# Altium PCB Simulation.PcbDoc (part 2 of 3) (continued)
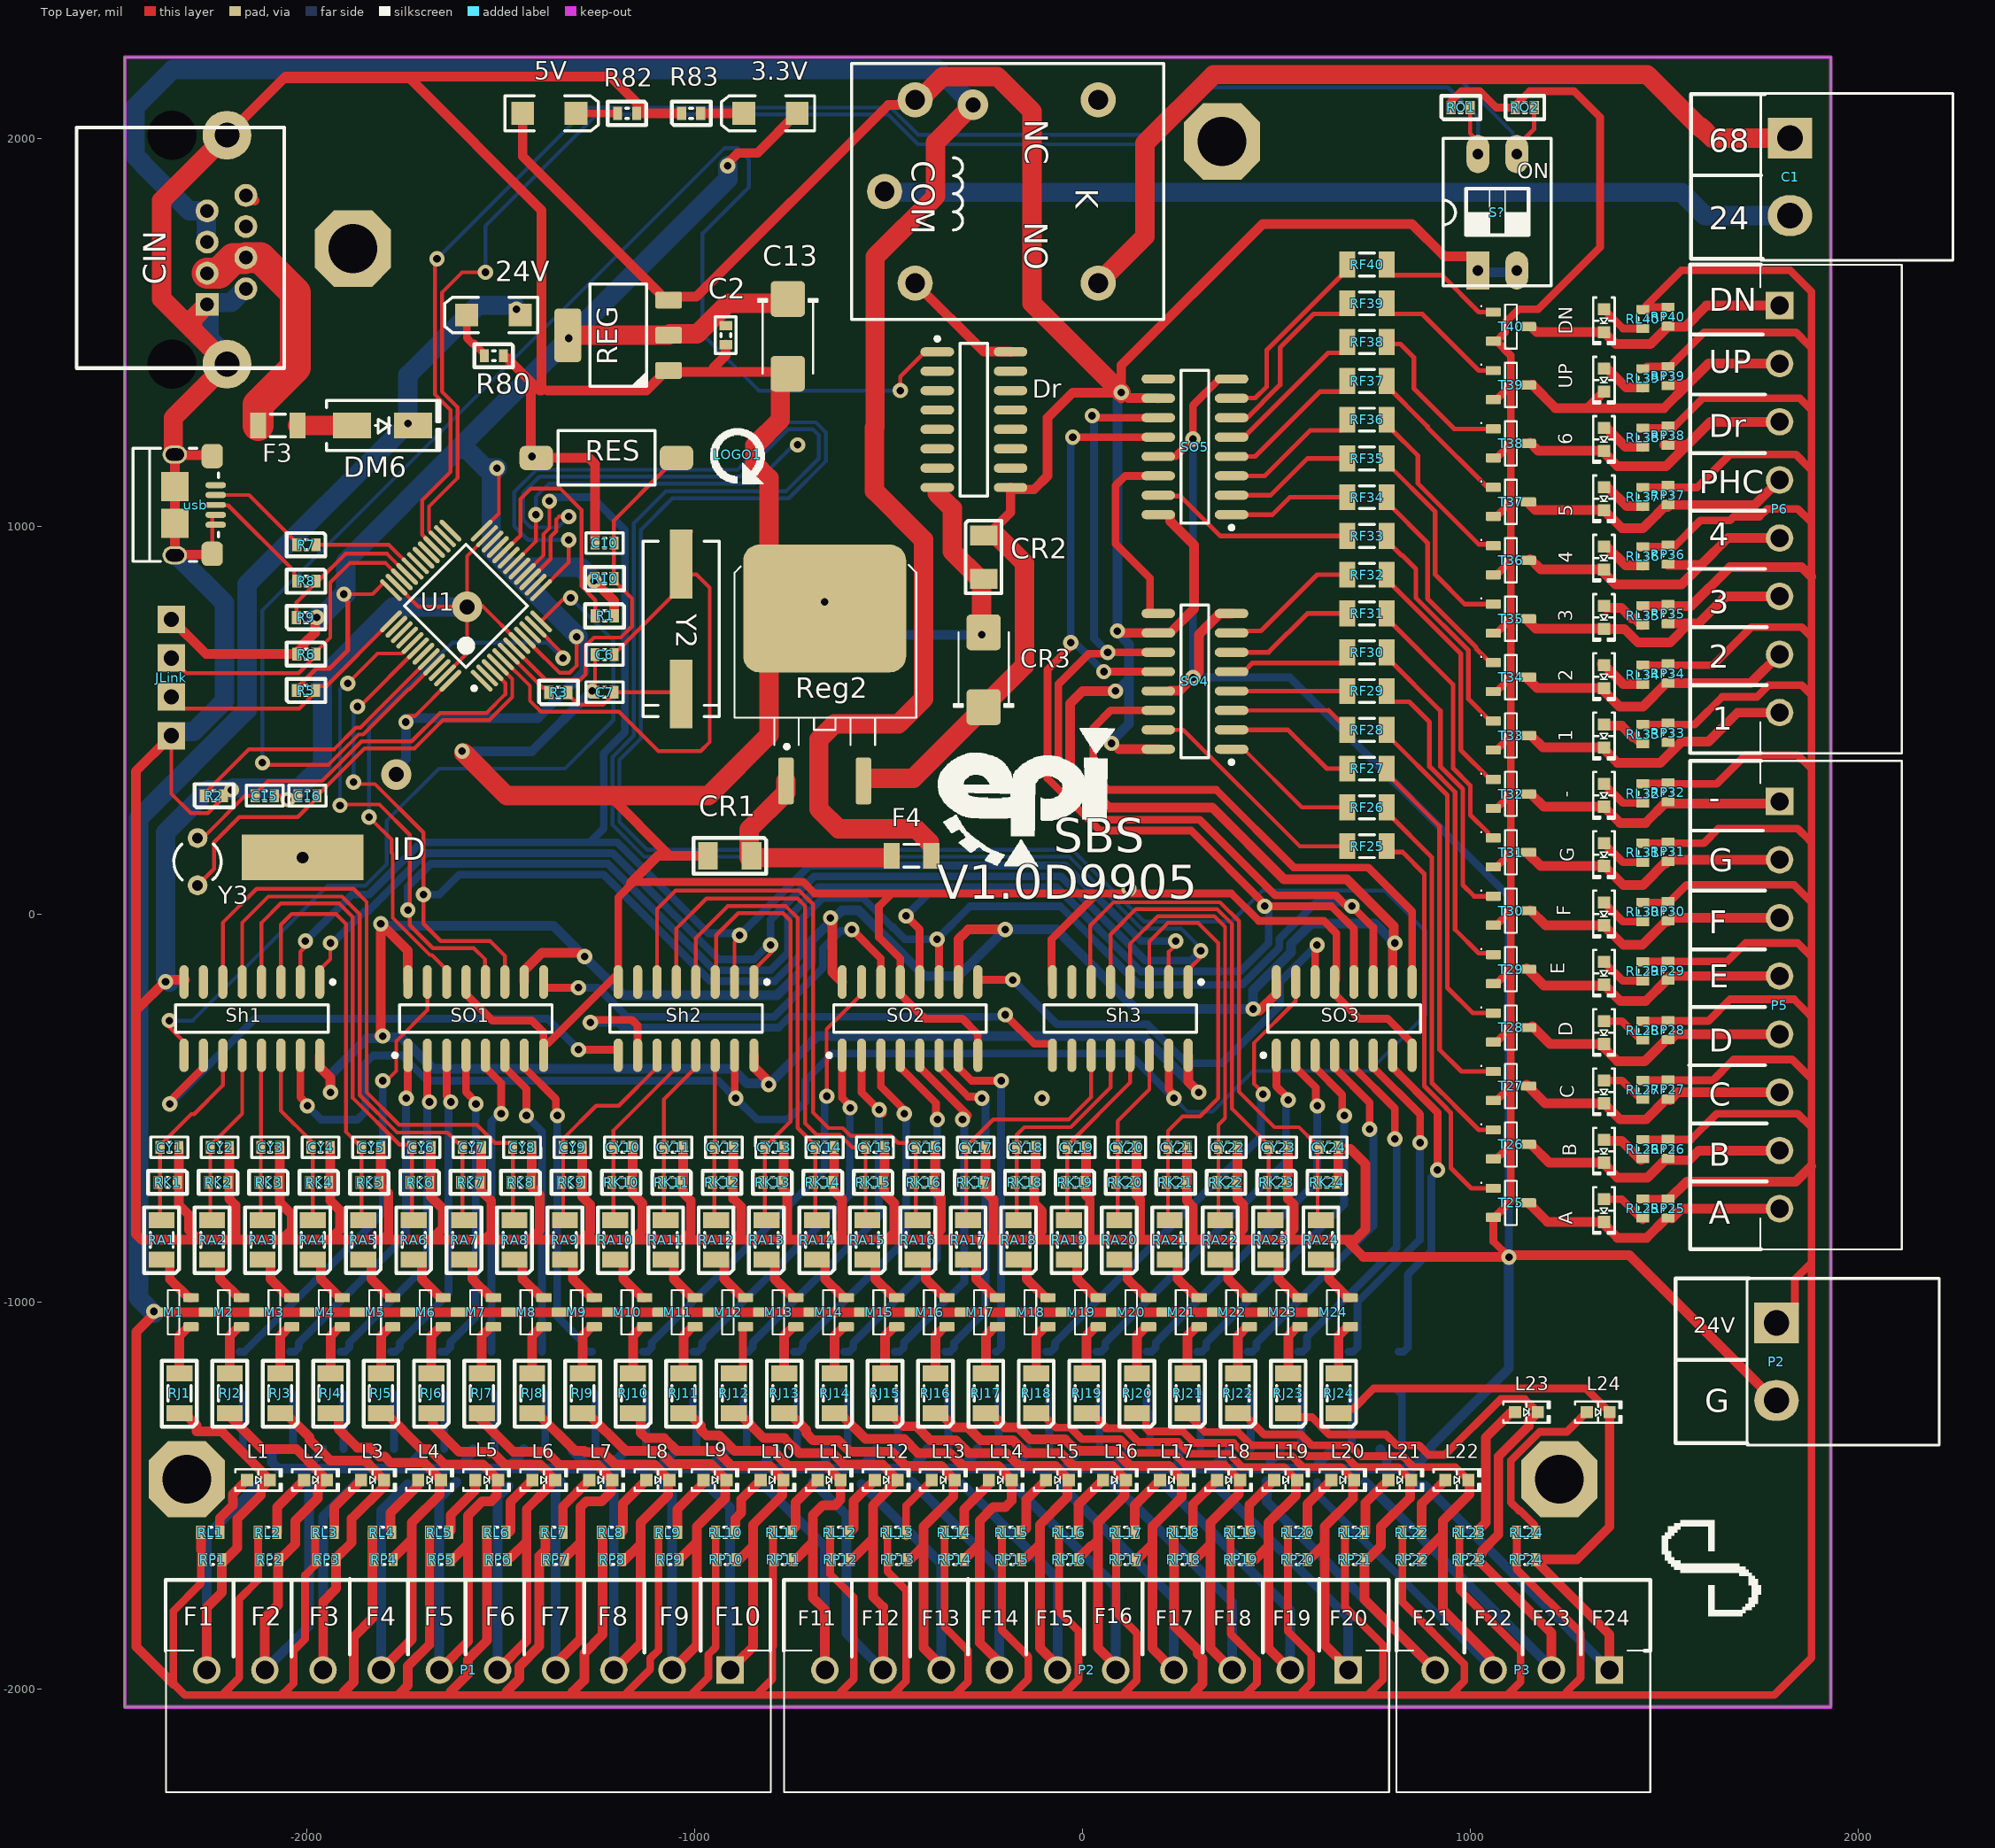
[diagram p0: Top Layer view]
## Nets (pads, with @x,y where several pads share a name; then routed paths per layer and width w, separated by ;. In a path a pad name is that pad's centre, name@x,y a point inside that pad or via, vN(x,y) a via of type N, cw(c..) or ccw(c..) an arc to the next point about the centre after c; other vN are vias at no path point) (continued)
  Top Layer w50: usb.S@-2345,1190 -2345,1279.72 CIN.9@-2206.57,1418.15 ; -2295,1515 -2295,1535.23 CIN.1@-2257.75,1572.48 ; CIN.9@-2215,1425 -2215,1426.58 -2375,1586.58 -2375,1840.27 CIN.9@-2210.27,2005 ; v1@-1595,415 -1485,305 -1220,305 -965,305 -808.75,461.25 -808.75,649.28 -669.99,788.04 Reg2.4@-665,788.04 ; C13.2@-760,1393.54 -779.29,1374.25 -779.29,1274.19 -845,1208.48 -845,1160 -808.75,1123.75 -808.75,926.8 -766.95,885 Reg2.4@-740,885 ; -375,1085 -336.14,1046.14 -336.14,935.2 -264.84,863.9 CR2.2@-255,863.9 ; CR2.2@-260,860 -260,731.46 CR3.2@-255,726.46
  Bottom Layer w20: v1(285,1225) v1(285,610) 535,610 1100,45 v1(1100,-885)
  Bottom Layer w25: T1.2@-2091.09,-1380.04 -2090.4,-1380.73 -2090.4,-1414.6 -2075,-1430 -1735,-1430 ; -1990,-1420 -1990,-1415.45 -1961.09,-1386.54 T2.2@-1961.09,-1380.04 ; -1850,-1425 -1850,-1405.45 -1831.09,-1386.54 T3.2@-1831.09,-1380.04 ; T4.2@-1701.09,-1380.04 -1701.09,-1386.54 -1735,-1420.45 -1735,-1430 ; v1@-1605,420 v1(-1600,420) -1420,420 v1(-1265,575) ; -1590,-1420 -1590,-1405.45 -1571.09,-1386.54 T5.2@-1571.09,-1380.04 ; -1470,-1425 -1470,-1415.45 -1441.09,-1386.54 T6.2@-1441.09,-1380.04 ; T7.2@-1315,-1385 -1279.9,-1420.1 -1214.65,-1420.1 -1181.09,-1386.54 T8.2@-1181.09,-1380.04 ; -1085,-1425 -1085,-1420.45 -1051.09,-1386.54 T9.2@-1051.09,-1380.04 ; -955,-1420 -954.55,-1420 -921.09,-1386.54 T10.2@-921.09,-1380.04 ; -815,-1420 -815,-1410.45 -791.09,-1386.54 T11.2@-791.09,-1380.04 ; -665,-1425 -661.78,-1421.78 -661.78,-1380.73 T12.2@-661.09,-1380.04 ; v1(-665,805) -580,720 v1(-260,720) v1@-250,720 ; -555,-1420 -555,-1410.45 -531.09,-1386.54 T13.2@-531.09,-1380.04 ; -425,-1425 -425,-1410.45 -401.09,-1386.54 T14.2@-401.09,-1380.04 ; T15.2@-271.09,-1380.04 -271.09,-1386.54 -295,-1410.45 -295,-1430 ; -160,-1425 -160,-1405.45 -141.09,-1386.54 T16.2@-141.09,-1380.04 ; -30,-1420 -30,-1405.45 -11.09,-1386.54 T17.2@-11.09,-1380.04 ; T18.2@118.91,-1380.04 118.91,-1386.54 95,-1410.45 95,-1430 ; 245,-1420 248.22,-1416.78 248.22,-1380.73 T19.2@248.91,-1380.04 ; 345,-1425 345,-1420.45 378.91,-1386.54 T20.2@378.91,-1380.04 ; 485,-1425 485,-1410.45 508.91,-1386.54 T21.2@508.91,-1380.04 ; 610,-1420 610,-1415.45 638.91,-1386.54 T22.2@638.91,-1380.04 ; T23.2@768.91,-1380.04 768.91,-1386.54 785,-1402.63 785,-1420 ; v1@1100,-890 1100,-1172.45 898.91,-1373.54 T24.2@898.91,-1380.04 898.91,-1382.22 851.13,-1430 95,-1430 ; -1735,-1430 -295,-1430 ; -295,-1430 95,-1430
  Bottom Layer w50: v1@-2355,-175 -2365,-165 -2365,210 -2255,320 v1(-2195,320) ; JLink.1@-2350,460 -2339.57,470.43 -2292.44,470.43 -2212.87,550 -2212.87,802.09 usb.S@-2334.57,923.78 ; CIN.9@-2220,1420 -2220,1452.14 -2253.22,1485.36 -2253.22,1567.95 CIN.1@-2257.75,1572.48 -2253.22,1577.01 -2195.83,1577.01 -2161.93,1610.91 -2155.91,1610.91 CIN.2@-2155,1610 ; v1@-2190,325 -2020,325 -1960,385 -1960,610 -1778.03,791.97 v2(-1587.24,791.97)
  other v1: -2365,-175 120,65 -2050,295 -1420,1180
"Latch Pin 2": SO1.12 SO2.12 SO3.12 SO4.12 SO5.12 U1.41 | length 6791
  Top Layer w10: v1@-1930,280 -1925,280 -1922.44,282.56 -1813.33,282.56 -1735,204.23 -1735,-28.68 -1675.8,-87.87 -1570,-87.87 -1540.67,-117.2 -1540.67,-174.7 SO1.12@-1539.86,-175.51 ; v1@-1890,595 -1890,600 -1818.18,671.82 -1755.42,671.82 -1728.29,698.96 U1.41@-1727.8,698.96
  Top Layer w20: v1(-455,-5) -419.93,-40.07 SO2.12@-419.93,-175.51 ; v1@-30,690 -90,630 -90,350 45,215 280,215 470,25 v1(470,20) 641.88,20 700,-38.12 SO3.12@700,-175.51 ; v1@-20,1225 -20,1226.05 -16.05,1230 SO5.12@195.51,1230 ; v1@45,625 v1(55,625) SO4.12@195.51,625
  Bottom Layer w10: v1(-1915,280) -1915,580 v1@-1905,590
  Bottom Layer w20: v1(-1740,10) -1740,70.58 -1681.33,129.25 -1223.67,129.25 -949.42,-145 -805,-145 -760,-100 -760,-9.77 -680.98,69.25 -66.76,69.25 150.36,-147.87 407.13,-147.87 480,-75 480,10 v1(470,20) ; v1(-455,-5) -390,60 ; v1@-30,1225 -28.95,1225 -30,1223.95 -30,710 v1(55,625)
  other v1: -1895,595 -30,700 -25,1230
LoadPin: Sh1.1 Sh2.1 Sh3.1 U1.15 | length 7299
  Top Layer w10: Sh1.1@-1967.35,-175.51 -1967.35,-144.02 -1940,-116.67 v1@-1940,-70 ; U1.15@-1424.36,863.21 -1372.13,915.44 -1372.13,972.6 -1357.13,987.6 -1357.13,1017.87 -1350,1025 v1@-1330,1025 ; Sh2.1@-847.42,-175.51 -847.42,-144.02 v1@-800,-96.6 ; Sh3.1@272.51,-175.51 272.51,-144.02 v1@311.53,-105
  Bottom Layer w10: v1(-1325,1025) -1352.56,997.44 -1423.49,997.44 -1442.56,1016.51 -1442.56,1086.12 -1400.8,1127.87 -882.13,1127.87 -760,1250 -695,1250 -680,1235 -680,1175 -765,1090 -1075,1090 -1157.13,1007.87 -1157.13,460 -1212.36,404.76 -1212.36,229.71 -1130.53,147.87 -34.2,147.87 151.12,-37.44 254.15,-37.44 305,-88.29 v1(305,-95)
  Bottom Layer w20: v1(-1939.33,-75) -1934.09,-75 -1851.67,7.42 -1842.58,7.42 -1692.87,157.13 -1212.13,157.13 -937.87,-117.13 -847.13,-117.13 -804.33,-74.33 -804.33,-14.69 -692.52,97.13 -55.22,97.13 161.91,-120 280,-120 v1(305,-95)
  other v1: -804.33,-80
Net1_1: 1.1 RL33.1 | length 121.8
  Top Layer w25: 1.1@1345,490 1.1@1345,488.53 1348.25,485.28 1390.83,485.28 1419.83,456.28 1424.65,456.28 1441.46,439.47 RL33.1@1445,439.47
Net2_1: 2.1 RL34.1 | length 126.8
  Top Layer w25: 2.1@1340,645 1342.78,645 1394.69,593.09 1444.31,593.09 RL34.1@1445,592.4
Net3.3V_2: 3.3V.2 R83.2 | length 111.1
  Top Layer w25: R83.2@-985,2065 3.3V.2@-873.9,2065
Net3_1: 3.1 RL35.1 | length 113.5
  Top Layer w25: 3.1@1350,790 1389.47,790 1417.33,762.14 1424.65,762.14 1441.46,745.34 RL35.1@1445,745.34
Net4_1: 4.1 RL36.1 | length 116.4
  Top Layer w25: 4.1@1350,950 1401.04,898.96 1444.31,898.96 RL36.1@1445,898.27
Net5_1: 5.1 RL37.1 | length 110.2
  Top Layer w25: 5.1@1355,1100 1403.11,1051.89 1444.31,1051.89 RL37.1@1445,1051.2
Net5V_2: 5V.2 R82.2 | length 107.1
  Top Layer w20: 5V.2@-1306.1,2065 R82.2@-1198.99,2065
Net6_1: 6.1 RL38.1 | length 116.1
  Top Layer w25: 6.1@1350,1255 1400.18,1204.82 1444.31,1204.82 RL38.1@1445,1204.13
Net24V_2: 24V.2 R80.2 | length 126.8
  Top Layer w20: 24V.2@-1588.09,1545 -1588.09,1485.47 -1573.94,1471.33 -1569.29,1471.33 -1542.64,1444.69 R80.2@-1542.64,1439.76
Net-_1: -.1 RL32.1 | length 124.8
  Top Layer w20: -.1@1345,340 -.1@1345,335.53 1393.99,286.54 RL32.1@1445,286.54
NetA_1: A.1 RL25.1 | length 122.6
  Top Layer w20: A.1@1345,-735.47 1345.28,-735.75 1390.75,-735.75 RL25.1@1445,-790
NetB_1: B.1 RL26.1 | length 116.8
  Top Layer w25: B.1@1345,-582.47 1348.25,-585.72 1390.72,-585.72 RL26.1@1440,-635
NetC1_1: C1.1 K.2 | length 2230.4
  Top Layer w50: K.2@35,1620 35,1621.45 K.2@40.81,1627.26 160.8,1747.25 160.8,1987.47 338.33,2165 1456.27,2165 1595,2026.27 1598.73,2026.27 ; 1595,2030 1598.73,2026.27 ; C1.1@1825,2001.27 1623.73,2001.27 1598.73,2026.27
NetC1_2: C1.2 K.1 | length 2359.8
  Bottom Layer w50: K.1@-510.37,1863.48 -508.14,1861.25 1545.14,1861.25 1605.12,1801.27 1811.27,1801.27 C1.2@1820,1810
NetC7_1: C7.1 R3.2 Y2.1 | length 326.5
  Top Layer w10: R3.2@-1327.45,571.48 -1327.45,566.55 -1300.9,540 -1235.69,540 -1208.31,567.38 C7.1@-1208.31,572.3 -1039.42,572.3 Y2.1@-1035,567.88
NetC15_1: C15.1 U1.3 Y3.1 | length 1038.1
  Top Layer w10: Y3.1@-2282.4,196.02 -2269.74,196.02 -2263.72,190 -2263.72,195.69 -2263.38,196.02 -2263.38,201.62 -2160.23,304.77 C15.1@-2133.68,304.77 -2133.68,309.69 -2100.33,343.04 -1961.35,343.04 -1859.39,445 -1730.37,445 -1657.5,517.87 -1537.45,517.87 -1488.77,566.55 -1488.77,595.85 -1521.79,628.87 U1.3@-1521.79,629.36
NetC16_2: C16.2 U1.4 Y3.2 | length 1157.9
  Top Layer w10: Y3.2@-2282.4,73.98 -2240,116.38 -2240,185 -2175,250 -2024.19,250 -1974.35,299.85 C16.2@-1974.35,304.77 -1974.35,309.69 -1967.54,316.5 -1962.62,316.5 -1851.99,427.13 -1722.87,427.13 -1650,500 -1530.05,500 -1470.9,559.15 -1470.9,606.15 -1507.88,643.12 U1.4@-1507.88,643.28
NetC_1: C.1 RL27.1 | length 122.4
  Top Layer w20: C.1@1345,-435 1350.53,-429.47 1391.42,-429.47 1440.08,-478.13 RL27.1@1445,-478.13
NetD_1: D.1 RL28.1 | length 118.3
  Top Layer w20: D.1@1350,-280 1350,-277.22 1350.75,-276.47 1391.36,-276.47 1440.08,-325.19 RL28.1@1445,-325.19
NetDM6_1: DM6.1 F3.2 | length 140.7
  Top Layer w50: F3.2@-2024.44,1260 DM6.1@-1883.74,1260
NetDN_1: DN.1 RL40.1 | length 121
  Top Layer w20: DN.1@1345,1560 DN.1@1345,1559.53 1394.53,1510 RL40.1@1445,1510
NetDr_16: Dr.16 K.5 | length 319.5
  Top Layer w25: K.5@-431.63,1627.26 -255.06,1450.69 -186.2,1450.69 Dr.16@-185.51,1450
NetE_1: E.1 RL29.1 | length 119.6
  Top Layer w20: E.1@1345,-125 1346.53,-125 1393.79,-172.26 RL29.1@1445,-172.26
NetF_1: F.1 RL30.1 | length 118.4
  Top Layer w20: F.1@1345,25 1349.53,25 1393.86,-19.33 RL30.1@1445,-19.33
NetG_1: G.1 RL31.1 | length 120.8
  Top Layer w20: G.1@1345,182.53 1393.92,133.6 1443.6,133.6 RL31.1@1445,135
NetL1_1: L1.1 RL1.1 | length 154
  Top Layer w25: RL1.1@-2225,-1585 -2225,-1558.51 -2191.2,-1524.71 -2191.2,-1496.2 L1.1@-2155,-1460
NetL2_1: L2.1 RL2.1 | length 162.9
  Top Layer w25: RL2.1@-2077.44,-1595 -2077.44,-1529.63 -2010,-1462.19 L2.1@-2010,-1460
NetL3_1: L3.1 RL3.1 | length 158.7
  Top Layer w25: RL3.1@-1930,-1590 -1930,-1529.39 L3.1@-1860.61,-1460
NetL4_1: L4.1 RL4.1 | length 164.7
  Top Layer w25: RL4.1@-1785,-1595 -1785,-1545 -1713.42,-1473.42 L4.1@-1713.42,-1460
NetL5_1: L5.1 RL5.1 | length 156.4
  Top Layer w25: RL5.1@-1630,-1590 -1630,-1550 -1566.22,-1486.22 L5.1@-1566.22,-1460
NetL6_1: L6.1 RL6.1 | length 160.3
  Top Layer w25: RL6.1@-1480,-1595 -1475,-1590 -1475,-1515.97 L6.1@-1419.03,-1460
NetL7_1: L7.1 RL7.1 | length 153.2
  Top Layer w25: RL7.1@-1340,-1585 -1340,-1528.17 L7.1@-1271.83,-1460
NetL8_1: L8.1 RL8.1 | length 162.1
  Top Layer w25: RL8.1@-1190,-1595 -1185,-1590 -1185,-1520.36 L8.1@-1124.64,-1460
NetL9_1: L9.1 RL9.1 | length 158
  Top Layer w25: RL9.1@-1045,-1590 -1045,-1535 -977.44,-1467.44 L9.1@-977.44,-1460
NetL10_1: L10.1 RL10.1 | length 161.8
  Top Layer w25: RL10.1@-895,-1595 -895,-1560 -880,-1545 -880,-1509.75 L10.1@-830.25,-1460
NetL11_1: L11.1 RL11.1 | length 157.7
  Top Layer w25: RL11.1@-750,-1590 -740,-1580 -740,-1516.94 L11.1@-683.06,-1460
NetL12_1: L12.1 RL12.1 | length 161.6
  Top Layer w25: RL12.1@-600,-1595 -590,-1585 -590,-1514.14 L12.1@-535.86,-1460
NetL13_1: L13.1 RL13.1 | length 172.5
  Top Layer w20: RL13.1@-455,-1605 -455,-1526.33 L13.1@-388.67,-1460
NetL14_1: L14.1 RL14.1 | length 156.3
  Top Layer w25: RL14.1@-305,-1590 -305,-1535 -241.47,-1471.47 L14.1@-241.47,-1460
NetL15_1: L15.1 RL15.1 | length 167.2
  Top Layer w25: RL15.1@-160,-1600 -145,-1585 -145,-1510.72 L15.1@-94.28,-1460
NetL16_1: L16.1 RL16.1 | length 166.1
  Top Layer w25: RL16.1@-10,-1600 -10,-1522.92 L16.1@52.92,-1460
NetL17_1: L17.1 RL17.1 | length 167
  Top Layer w25: RL17.1@135,-1600 135,-1525.11 L17.1@200.11,-1460
NetL18_1: L18.1 RL18.1 | length 165.8
  Top Layer w25: RL18.1@285,-1600 285,-1522.3 L18.1@347.3,-1460
NetL19_1: L19.1 RL19.1 | length 151.7
  Top Layer w25: RL19.1@430,-1585 430,-1524.5 L19.1@494.5,-1460
NetL20_1: L20.1 RL20.1 | length 150.6
  Top Layer w25: RL20.1@580,-1585 580,-1521.69 L20.1@641.69,-1460
NetL21_1: L21.1 RL21.1 | length 159.4
  Top Layer w25: RL21.1@730,-1595 730,-1518.89 L21.1@788.89,-1460
NetL22_1: L22.1 RL22.1 | length 165.3
  Top Layer w25: RL22.1@875,-1600 875,-1521.08 L22.1@936.08,-1460
NetL23_1: L23.1 RL23.1 | length 350.7
  Top Layer w25: RL23.1@1020,-1590 1040,-1570 1040,-1350 1105,-1285 L23.1@1115.47,-1285
NetL24_1: L24.1 RL24.1 | length 458.6
  Top Layer w20: RL24.1@1165,-1595 1165,-1575 1128.75,-1538.75 1126.25,-1538.75 1105,-1517.5 1105,-1409.89 1179.54,-1335.35 1250.13,-1335.35 L24.1@1300.47,-1285
NetM1_1: M1.1 RJ1.2 | length 137
  Top Layer w25: RJ1.2@-2329.29,-1185.16 -2329.29,-1088.05 -2305.69,-1064.45 M1.1@-2299.19,-1064.45
NetM1_2: M1.2 RA1.1 | length 140.8
  Top Layer w25: RA1.1@-2375,-891.57 -2362.2,-891.57 -2354.04,-899.74 -2354.04,-941.29 -2305.69,-989.64 M1.2@-2299.19,-989.64
NetM2_1: M2.1 RJ2.2 | length 137
  Top Layer w25: RJ2.2@-2199.29,-1185.16 -2199.29,-1088.05 -2175.69,-1064.45 M2.1@-2169.19,-1064.45
NetM2_2: M2.2 RA2.1 | length 140.8
  Top Layer w25: RA2.1@-2245,-891.57 -2232.2,-891.57 -2224.04,-899.74 -2224.04,-941.29 -2175.69,-989.64 M2.2@-2169.19,-989.64
NetM3_1: M3.1 RJ3.2 | length 137
  Top Layer w25: RJ3.2@-2069.29,-1185.16 -2069.29,-1088.05 -2045.69,-1064.45 M3.1@-2039.19,-1064.45
NetM3_2: M3.2 RA3.1 | length 140.8
  Top Layer w25: RA3.1@-2115,-891.57 -2102.2,-891.57 -2094.04,-899.74 -2094.04,-941.29 -2045.69,-989.64 M3.2@-2039.19,-989.64
NetM4_1: M4.1 RJ4.2 | length 137
  Top Layer w25: RJ4.2@-1939.29,-1185.16 -1939.29,-1088.05 -1915.69,-1064.45 M4.1@-1909.19,-1064.45
NetM4_2: M4.2 RA4.1 | length 140.8
  Top Layer w25: RA4.1@-1985,-891.57 -1972.2,-891.57 -1964.04,-899.74 -1964.04,-941.29 -1915.69,-989.64 M4.2@-1909.19,-989.64
NetM5_1: M5.1 RJ5.2 | length 137
  Top Layer w25: RJ5.2@-1809.29,-1185.16 -1809.29,-1088.05 -1785.69,-1064.45 M5.1@-1779.19,-1064.45
NetM5_2: M5.2 RA5.1 | length 140.8
  Top Layer w25: RA5.1@-1855,-891.57 -1842.2,-891.57 -1834.04,-899.74 -1834.04,-941.29 -1785.69,-989.64 M5.2@-1779.19,-989.64
NetM6_1: M6.1 RJ6.2 | length 137
  Top Layer w25: RJ6.2@-1679.29,-1185.16 -1679.29,-1088.05 -1655.69,-1064.45 M6.1@-1649.19,-1064.45
NetM6_2: M6.2 RA6.1 | length 140.8
  Top Layer w25: RA6.1@-1725,-891.57 -1712.2,-891.57 -1704.04,-899.74 -1704.04,-941.29 -1655.69,-989.64 M6.2@-1649.19,-989.64
NetM7_1: M7.1 RJ7.2 | length 137
  Top Layer w25: RJ7.2@-1549.29,-1185.16 -1549.29,-1088.05 -1525.69,-1064.45 M7.1@-1519.19,-1064.45
NetM7_2: M7.2 RA7.1 | length 140.8
  Top Layer w25: RA7.1@-1595,-891.57 -1582.2,-891.57 -1574.04,-899.74 -1574.04,-941.29 -1525.69,-989.64 M7.2@-1519.19,-989.64
NetM8_1: M8.1 RJ8.2 | length 137
  Top Layer w25: RJ8.2@-1419.29,-1185.16 -1419.29,-1088.05 -1395.69,-1064.45 M8.1@-1389.19,-1064.45
NetM8_2: M8.2 RA8.1 | length 140.8
  Top Layer w25: RA8.1@-1465,-891.57 -1452.2,-891.57 -1444.04,-899.74 -1444.04,-941.29 -1395.69,-989.64 M8.2@-1389.19,-989.64
NetM9_1: M9.1 RJ9.2 | length 137
  Top Layer w25: RJ9.2@-1289.29,-1185.16 -1289.29,-1088.05 -1265.69,-1064.45 M9.1@-1259.19,-1064.45
NetM9_2: M9.2 RA9.1 | length 140.8
  Top Layer w25: RA9.1@-1335,-891.57 -1322.2,-891.57 -1314.04,-899.74 -1314.04,-941.29 -1265.69,-989.64 M9.2@-1259.19,-989.64
NetM10_1: M10.1 RJ10.2 | length 137
  Top Layer w25: RJ10.2@-1159.29,-1185.16 -1159.29,-1088.05 -1135.69,-1064.45 M10.1@-1129.19,-1064.45
NetM10_2: M10.2 RA10.1 | length 140.8
  Top Layer w25: RA10.1@-1205,-891.57 -1192.2,-891.57 -1184.04,-899.74 -1184.04,-941.29 -1135.69,-989.64 M10.2@-1129.19,-989.64
NetM11_1: M11.1 RJ11.2 | length 137
  Top Layer w25: RJ11.2@-1029.29,-1185.16 -1029.29,-1088.05 -1005.69,-1064.45 M11.1@-999.19,-1064.45
NetM11_2: M11.2 RA11.1 | length 140.8
  Top Layer w25: RA11.1@-1075,-891.57 -1062.2,-891.57 -1054.04,-899.74 -1054.04,-941.29 -1005.69,-989.64 M11.2@-999.19,-989.64
NetM12_1: M12.1 RJ12.2 | length 143.5
  Top Layer w20: RJ12.2@-899.29,-1185.16 -886.5,-1185.16 -875.83,-1174.49 -875.83,-1066.26 -874.02,-1064.45 M12.1@-869.19,-1064.45
NetM12_2: M12.2 RA12.1 | length 140.8
  Top Layer w25: RA12.1@-945,-891.57 -932.2,-891.57 -924.04,-899.74 -924.04,-941.29 -875.69,-989.64 M12.2@-869.19,-989.64
NetM13_1: M13.1 RJ13.2 | length 137
  Top Layer w25: RJ13.2@-769.29,-1185.16 -769.29,-1088.05 -745.69,-1064.45 M13.1@-739.19,-1064.45
NetM13_2: M13.2 RA13.1 | length 140.8
  Top Layer w25: RA13.1@-815,-891.57 -802.2,-891.57 -794.04,-899.74 -794.04,-941.29 -745.69,-989.64 M13.2@-739.19,-989.64
NetM14_1: M14.1 RJ14.2 | length 137
  Top Layer w25: RJ14.2@-639.29,-1185.16 -639.29,-1088.05 -615.69,-1064.45 M14.1@-609.19,-1064.45
NetM14_2: M14.2 RA14.1 | length 140.8
  Top Layer w25: RA14.1@-685,-891.57 -672.2,-891.57 -664.04,-899.74 -664.04,-941.29 -615.69,-989.64 M14.2@-609.19,-989.64
NetM15_1: M15.1 RJ15.2 | length 137
  Top Layer w25: RJ15.2@-509.29,-1185.16 -509.29,-1088.05 -485.69,-1064.45 M15.1@-479.19,-1064.45
NetM15_2: M15.2 RA15.1 | length 140.8
  Top Layer w25: RA15.1@-555,-891.57 -542.2,-891.57 -534.04,-899.74 -534.04,-941.29 -485.69,-989.64 M15.2@-479.19,-989.64
NetM16_1: M16.1 RJ16.2 | length 137
  Top Layer w25: RJ16.2@-379.29,-1185.16 -379.29,-1088.05 -355.69,-1064.45 M16.1@-349.19,-1064.45
NetM16_2: M16.2 RA16.1 | length 140.8
  Top Layer w25: RA16.1@-425,-891.57 -412.2,-891.57 -404.04,-899.74 -404.04,-941.29 -355.69,-989.64 M16.2@-349.19,-989.64
NetM17_1: M17.1 RJ17.2 | length 137
  Top Layer w25: RJ17.2@-249.29,-1185.16 -249.29,-1088.05 -225.69,-1064.45 M17.1@-219.19,-1064.45
NetM17_2: M17.2 RA17.1 | length 140.8
  Top Layer w25: RA17.1@-295,-891.57 -282.2,-891.57 -274.04,-899.74 -274.04,-941.29 -225.69,-989.64 M17.2@-219.19,-989.64
NetM18_1: M18.1 RJ18.2 | length 137
  Top Layer w25: RJ18.2@-119.29,-1185.16 -119.29,-1088.05 -95.69,-1064.45 M18.1@-89.19,-1064.45
NetM18_2: M18.2 RA18.1 | length 140.8
  Top Layer w25: RA18.1@-165,-891.57 -152.2,-891.57 -144.04,-899.74 -144.04,-941.29 -95.69,-989.64 M18.2@-89.19,-989.64
NetM19_1: M19.1 RJ19.2 | length 137
  Top Layer w25: RJ19.2@10.71,-1185.16 10.71,-1088.05 34.31,-1064.45 M19.1@40.81,-1064.45
NetM19_2: M19.2 RA19.1 | length 140.8
  Top Layer w25: RA19.1@-35,-891.57 -22.2,-891.57 -14.04,-899.74 -14.04,-941.29 34.31,-989.64 M19.2@40.81,-989.64
NetM20_1: M20.1 RJ20.2 | length 137
  Top Layer w25: RJ20.2@140.71,-1185.16 140.71,-1088.05 164.31,-1064.45 M20.1@170.81,-1064.45
NetM20_2: M20.2 RA20.1 | length 140.8
  Top Layer w25: RA20.1@95,-891.57 107.8,-891.57 115.96,-899.74 115.96,-941.29 164.31,-989.64 M20.2@170.81,-989.64
NetM21_1: M21.1 RJ21.2 | length 137
  Top Layer w25: RJ21.2@270.71,-1185.16 270.71,-1088.05 294.31,-1064.45 M21.1@300.81,-1064.45
NetM21_2: M21.2 RA21.1 | length 140.8
  Top Layer w25: RA21.1@225,-891.57 237.8,-891.57 245.96,-899.74 245.96,-941.29 294.31,-989.64 M21.2@300.81,-989.64
NetM22_1: M22.1 RJ22.2 | length 137
  Top Layer w25: RJ22.2@400.71,-1185.16 400.71,-1088.05 424.31,-1064.45 M22.1@430.81,-1064.45
NetM22_2: M22.2 RA22.1 | length 140.8
  Top Layer w25: RA22.1@355,-891.57 367.8,-891.57 375.96,-899.74 375.96,-941.29 424.31,-989.64 M22.2@430.81,-989.64
NetM23_1: M23.1 RJ23.2 | length 137
  Top Layer w25: RJ23.2@530.71,-1185.16 530.71,-1088.05 554.31,-1064.45 M23.1@560.81,-1064.45
NetM23_2: M23.2 RA23.1 | length 140.8
  Top Layer w25: RA23.1@485,-891.57 497.8,-891.57 505.96,-899.74 505.96,-941.29 554.31,-989.64 M23.2@560.81,-989.64
NetM24_1: M24.1 RJ24.2 | length 137
  Top Layer w25: RJ24.2@660.71,-1185.16 660.71,-1088.05 684.31,-1064.45 M24.1@690.81,-1064.45
NetM24_2: M24.2 RA24.1 | length 140.8
  Top Layer w25: RA24.1@615,-891.57 627.8,-891.57 635.96,-899.74 635.96,-941.29 684.31,-989.64 M24.2@690.81,-989.64
NetR1_2: R1.2 U1.20 | length 646.6
  Top Layer w10: U1.20@-1500.24,925.24 -1497.46,928.02 -1497.51,928.07 -1497.51,929.25 U1.20@-1493.96,932.8 ; U1.20@-1493.32,932.16 -1455.12,970.36 -1454.64,970.36 -1450,975 -1450,1070 -1422.44,1097.56 -1347.37,1097.56 -1292.44,1042.63 -1292.44,873.6 -1292.56,873.49 -1292.56,845.52 -1256.6,809.56 R1.2@-1256.6,768.99
NetR2_1: R2.1 U1.44 | length 727.7
  Top Layer w10: R2.1@-2265,305 -2265,309.92 -2149.92,425 -1929.95,425 -1874.2,480.75 -1862.49,480.75 U1.44@-1686.04,657.2
NetR7_2: R7.2 usb.2 | length 265.1
  Top Layer w10: usb.2@-2235.75,1080.67 -2149.91,1080.67 -2026.6,957.36 R7.2@-2026.6,952.44
NetR8_2: R8.2 usb.3 | length 301.6
  Top Layer w10: usb.3@-2235.75,1055.08 -2234.65,1053.98 -2203.34,1053.98 -2033.41,884.05 -2033.41,865.24 R8.2@-2026.6,858.43
NetRF1_1: RF1.1 T1.1 | length 152.5
  Bottom Layer w20: RF1.1@-2174.39,-1231.1 -2165.89,-1239.6 T1.1@-2165.89,-1380.04
NetRF2_1: RF2.1 T2.1 | length 152.5
  Bottom Layer w20: RF2.1@-2044.39,-1231.1 -2035.89,-1239.6 T2.1@-2035.89,-1380.04
NetRF3_1: RF3.1 T3.1 | length 152.5
  Bottom Layer w20: RF3.1@-1914.39,-1231.1 -1905.89,-1239.6 T3.1@-1905.89,-1380.04
NetRF4_1: RF4.1 T4.1 | length 152.5
  Bottom Layer w20: RF4.1@-1784.39,-1231.1 -1775.89,-1239.6 T4.1@-1775.89,-1380.04
NetRF5_1: RF5.1 T5.1 | length 152.5
  Bottom Layer w20: RF5.1@-1654.39,-1231.1 -1645.89,-1239.6 T5.1@-1645.89,-1380.04
NetRF6_1: RF6.1 T6.1 | length 152.5
  Bottom Layer w20: RF6.1@-1524.39,-1231.1 -1515.89,-1239.6 T6.1@-1515.89,-1380.04
NetRF7_1: RF7.1 T7.1 | length 152.5
  Bottom Layer w20: RF7.1@-1394.39,-1231.1 -1385.89,-1239.6 T7.1@-1385.89,-1380.04
NetRF8_1: RF8.1 T8.1 | length 152.5
  Bottom Layer w20: RF8.1@-1264.39,-1231.1 -1255.89,-1239.6 T8.1@-1255.89,-1380.04
NetRF9_1: RF9.1 T9.1 | length 152.5
  Bottom Layer w20: RF9.1@-1134.39,-1231.1 -1125.89,-1239.6 T9.1@-1125.89,-1380.04
NetRF10_1: RF10.1 T10.1 | length 152.5
  Bottom Layer w20: RF10.1@-1004.39,-1231.1 -1004.39,-1281.77 -995.89,-1290.27 T10.1@-995.89,-1380.04
NetRF11_1: RF11.1 T11.1 | length 152.5
  Bottom Layer w20: RF11.1@-874.39,-1231.1 -874.39,-1281.77 -865.89,-1290.27 T11.1@-865.89,-1380.04
NetRF12_1: RF12.1 T12.1 | length 152.5
  Bottom Layer w20: RF12.1@-744.39,-1231.1 -735.89,-1239.6 T12.1@-735.89,-1380.04
NetRF13_1: RF13.1 T13.1 | length 152.5
  Bottom Layer w20: RF13.1@-614.39,-1231.1 -605.89,-1239.6 T13.1@-605.89,-1380.04
NetRF14_1: RF14.1 T14.1 | length 152.5
  Bottom Layer w20: RF14.1@-484.39,-1231.1 -475.89,-1239.6 T14.1@-475.89,-1380.04
NetRF15_1: RF15.1 T15.1 | length 152.5
  Bottom Layer w20: RF15.1@-354.39,-1231.1 -345.89,-1239.6 T15.1@-345.89,-1380.04
NetRF16_1: RF16.1 T16.1 | length 152.5
  Bottom Layer w20: RF16.1@-224.39,-1231.1 -215.89,-1239.6 T16.1@-215.89,-1380.04
NetRF17_1: RF17.1 T17.1 | length 152.5
  Bottom Layer w20: RF17.1@-94.39,-1231.1 -85.89,-1239.6 T17.1@-85.89,-1380.04
NetRF18_1: RF18.1 T18.1 | length 152.5
  Bottom Layer w20: RF18.1@35.61,-1231.1 44.11,-1239.6 T18.1@44.11,-1380.04
NetRF19_1: RF19.1 T19.1 | length 152.5
  Bottom Layer w20: RF19.1@165.61,-1231.1 165.61,-1281.77 174.11,-1290.27 T19.1@174.11,-1380.04
NetRF20_1: RF20.1 T20.1 | length 152.5
  Bottom Layer w20: RF20.1@295.61,-1231.1 304.11,-1239.6 T20.1@304.11,-1380.04
NetRF21_1: RF21.1 T21.1 | length 152.5
  Bottom Layer w20: RF21.1@425.61,-1231.1 434.11,-1239.6 T21.1@434.11,-1380.04
NetRF22_1: RF22.1 T22.1 | length 152.5
  Bottom Layer w20: RF22.1@555.61,-1231.1 564.11,-1239.6 T22.1@564.11,-1380.04
NetRF23_1: RF23.1 T23.1 | length 152.5
  Bottom Layer w20: RF23.1@685.61,-1231.1 694.11,-1239.6 T23.1@694.11,-1380.04
NetRF24_1: RF24.1 T24.1 | length 152.5
  Bottom Layer w20: RF24.1@815.61,-1231.1 824.11,-1239.6 T24.1@824.11,-1380.04
NetRF25_1: RF25.1 T25.1 | length 1037.6
  Top Layer w12: RF25.1@790,170 790,169.67 799.67,160 825,160 881.39,103.61 881.39,-443.61 939.54,-501.76 939.54,-502.65 950,-513.11 950,-655 1002.6,-707.6 T25.1@1059.72,-707.6
NetRF26_1: RF26.1 T26.1 | length 970.8
  Top Layer w12: RF26.1@790,280 790,257.2 901.26,145.94 901.26,-435.38 959.41,-493.53 959.41,-494.41 1021.93,-556.93 T26.1@1059.72,-556.93